# Allegro board A733_PRO3_AXP318_LPDDR5_FBGA315BALL_32X1_V2_0.brd (continued)
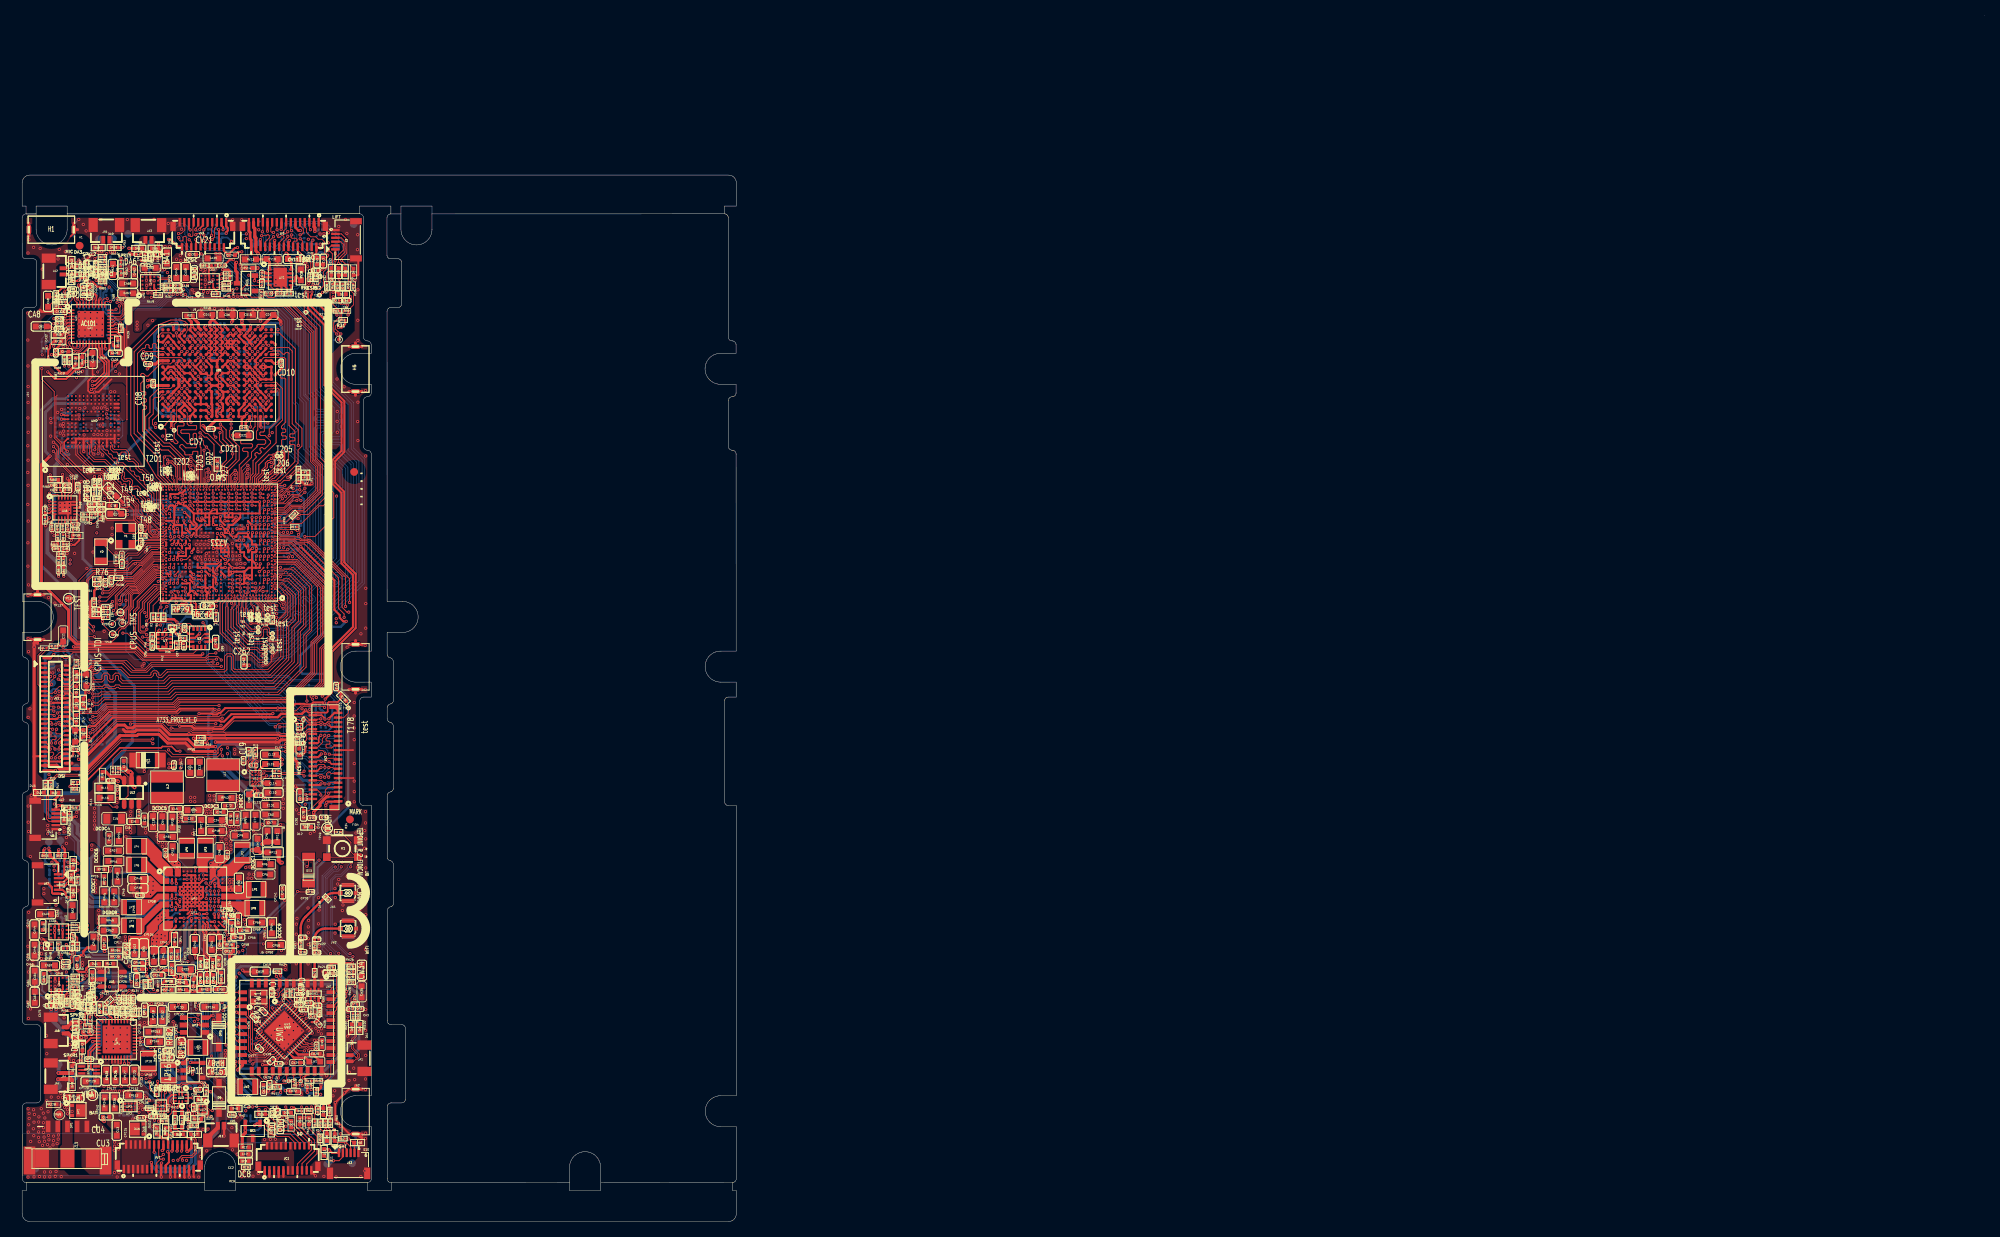
[diagram p0: board, top side]
## Copper pours and planes (outline as drawn; the poured copper is in the pictures) (continued)
N23315813 on TOP: 20.31,20.58 20.31,20.01 20.13,19.83 17.84,19.83 17.71,19.95 17.71,20.64 17.77,20.7 18.71,20.7 18.87,20.86 18.87,21.72 18.79,21.8 18.79,22.29 18.49,22.59 18.49,23.4 18.55,23.46 19.57,23.46 19.7,23.34 19.7,21.19
N23315836 on TOP: 20.2,18.87 21.24,18.87 21.28,18.83 21.28,18.23 21.16,18.12 20.15,18.12 19.83,17.8 17.92,17.8 17.83,17.89 17.83,18.57 17.88,18.62 19.96,18.62
PS on TOP (solid shape): 16.56,44.61 16.57,44.61 16.59,44.6 17.89,43.3 17.9,43.29 17.92,43.29 19.86,43.29 19.88,43.28 19.9,43.27 19.94,43.23 19.96,43.21 19.96,43.19 19.96,42.63 19.96,42.61 19.94,42.59 19.92,42.57 19.91,42.56 19.89,42.56 17.42,42.56 17.4,42.56 17.38,42.54 16.62,41.78 16.6,41.77 16.58,41.77 15.4,41.77 15.38,41.77 15.36,41.78 15.26,41.88 15.25,41.9 15.25,41.92 15.25,44.52 15.25,44.54 15.26,44.55 15.31,44.6 15.33,44.61 15.34,44.61
PS on TOP (solid shape): 19.87,47.47 19.89,47.46 19.91,47.45 20.06,47.29 20.08,47.28 20.08,47.26 20.08,46.6 20.08,46.58 20.09,46.56 20.45,46.2 20.46,46.18 20.47,46.17 20.47,44.65 20.46,44.63 20.45,44.61 20.36,44.52 20.35,44.51 20.33,44.51 19.8,44.51 19.78,44.51 19.76,44.52 19.7,44.59 19.69,44.61 19.68,44.63 19.68,45.41 19.68,45.43 19.67,45.44 19.52,45.59 19.51,45.61 19.5,45.63 19.5,45.71 19.5,45.73 19.49,45.75 18.26,46.97 18.25,46.99 18.24,47.01 18.24,47.45 18.25,47.47
N18662749 on TOP (solid shape): 29.39,47.01 29.42,46.99 29.44,46.96 29.44,46.28 29.43,46.26 29.42,46.25 29.33,46.15 29.31,46.14 29.29,46.14 28.76,46.14 28.74,46.13 28.72,46.12 27.17,44.57 27.16,44.56 27.14,44.56 25.32,44.56 25.3,44.56 25.29,44.57 25.23,44.62 25.22,44.64 25.22,44.66 25.22,45.26 25.22,45.28 25.23,45.29 26,46.06 26.01,46.07 26.03,46.07 26.62,46.07 26.64,46.07 26.66,46.09 27.3,46.73 27.31,46.75 27.32,46.77 27.32,46.91 27.32,46.93 27.33,46.95 27.38,46.99 27.39,47 27.41,47.01
N18662758 on TOP (solid shape): 24.62,47.53 24.64,47.53 24.67,47.49 24.68,47.47 24.68,46.86 24.67,46.84 24.66,46.82 24.55,46.71 24.53,46.7 24.51,46.69 24.27,46.69 24.25,46.69 24.23,46.68 23.94,46.38 23.93,46.37 23.92,46.35 23.92,45.16 23.92,45.14 23.91,45.12 23.87,45.08 23.85,45.07 23.83,45.06 22.8,45.06 22.78,45.07 22.77,45.08 22.71,45.13 22.7,45.15 22.7,45.17 22.7,45.77 22.69,45.79 22.68,45.81 22.51,45.97 22.5,45.99 22.5,46.01 22.5,47.48 22.51,47.52 22.55,47.53
N18662823 on TOP (solid shape): 29.48,43.88 29.5,43.88 29.55,43.83 29.55,43.81 29.55,41.82 29.55,41.8 29.53,41.78 29.31,41.56 29.3,41.55 29.28,41.54 25.77,41.54 25.75,41.55 25.74,41.56 25.68,41.61 25.68,41.69 25.67,41.74 25.67,42.2 25.67,42.22 25.68,42.24 25.74,42.29 25.75,42.3 25.77,42.3 28.3,42.3 28.32,42.31 28.34,42.32 28.46,42.44 28.47,42.45 28.47,42.47 28.47,43.65 28.48,43.67 28.49,43.68 28.67,43.86 28.69,43.88 28.71,43.88
N18662834 on TOP (solid shape): 15.68,47.02 15.7,47.02 15.71,47.01 18.42,44.3 18.44,44.29 18.46,44.29 18.85,44.29 18.87,44.28 18.88,44.27 18.93,44.22 18.94,44.21 18.94,44.19 18.94,43.62 18.94,43.6 18.93,43.59 18.91,43.56 18.89,43.55 18.87,43.55 17.87,43.55 17.85,43.55 17.84,43.56 16.41,44.99 16.39,45 16.37,45.01 15.43,45.01 15.41,45.01 15.36,45.06 15.36,45.08 15.36,46.92 15.36,46.94 15.37,46.95 15.43,47.01 15.45,47.02 15.46,47.02
N18662843 on TOP (solid shape): 18.85,42.3 18.87,42.3 18.88,42.29 18.94,42.23 18.95,42.21 18.96,42.19 18.96,41.64 18.95,41.62 18.94,41.6 18.9,41.56 18.88,41.55 18.86,41.54 17.72,41.54 17.7,41.54 17.68,41.53 16.1,39.94 15.73,39.58 15.71,39.56 15.69,39.56 14.76,39.56 14.73,39.59 14.73,39.61 14.73,39.94 14.73,41.51 14.73,41.53 14.77,41.56 14.79,41.57 16.69,41.57 16.7,41.57 16.72,41.58 17.43,42.29 17.45,42.3 17.47,42.3
N18662877 on TOP (solid shape): 18.87,41.29 18.89,41.29 18.91,41.27 18.95,41.23 18.96,41.22 18.97,41.2 18.97,40.62 18.96,40.6 18.95,40.58 18.91,40.54 18.89,40.53 18.87,40.53 18.15,40.53 18.13,40.52 18.12,40.51 15.78,38.18 15.77,38.16 15.77,38.14 15.77,37.42 15.76,37.4 15.75,37.39 15.35,36.99 15.34,36.97 15.32,36.97 14.85,36.97 14.83,36.97 14.81,36.99 14.73,37.07 14.72,37.09 14.71,37.11 14.71,39.02 14.72,39.04 14.73,39.05 14.79,39.12 14.81,39.13 14.83,39.13 15.63,39.13 15.65,39.14 15.66,39.15 17.79,41.27 17.8,41.29 17.82,41.29

Small or netless copper shapes (teardrops, artwork), in the pictures only: 12 on TOP

## Text on the board
Ref Des/Silkscreen Bottom: MISO-1 | CSO-1 | DP3 | HPOUTL-1 | TWI2-SDA | DN2 | DP2 | TWI2-SCK | HPOUTFB-1 | DN3 | CLK-1 | INT-TP | RST-TP | MOSI-1 | HP-MIC-1 | HPOUTR-1 | DP0 | HP-DET-1 | DN0 | CPUS-TX | CPUS-RX | DN1 | DP1 | CKP | CKN | CPUX-TX | CPUX-RX | GND | POWKEY | VOL-1 | VOL- | RESET-KEY | VOL+ | VOL+1 | RESET-1
User.Comments: CR_YSQ_4 | CR_YSQ_3 | CR_M_1
Ref Des/Silkscreen Top: DSI | SPKR1 | MIC | SPKR2 | SPKL2 | BAT | DCDC4 | DCDC8 | SPKL1 | DCDC5 | MCSIC | DCDC3 | SD | MCSIB | LIFT | RIGHT | FEL | HP | USB | DCDC7 | DCDC6 | VCC-5V | DCDC2 | DCDC1 | DCDC9 | MCSIA | BT | WIFI | A733_PRO3_V1_0
User.24: FIGURE | SIZE | 7.87 | 8.0 | 39.37x11.81 | DRILL CHART: TOP to BOTTOM | ALL UNITS ARE IN MILS | PLATED | QTY | 1 | 2148 | 113 | 2 | 8
